# Altium PCB PLD.PcbDoc (part 1 of 2) (continued)
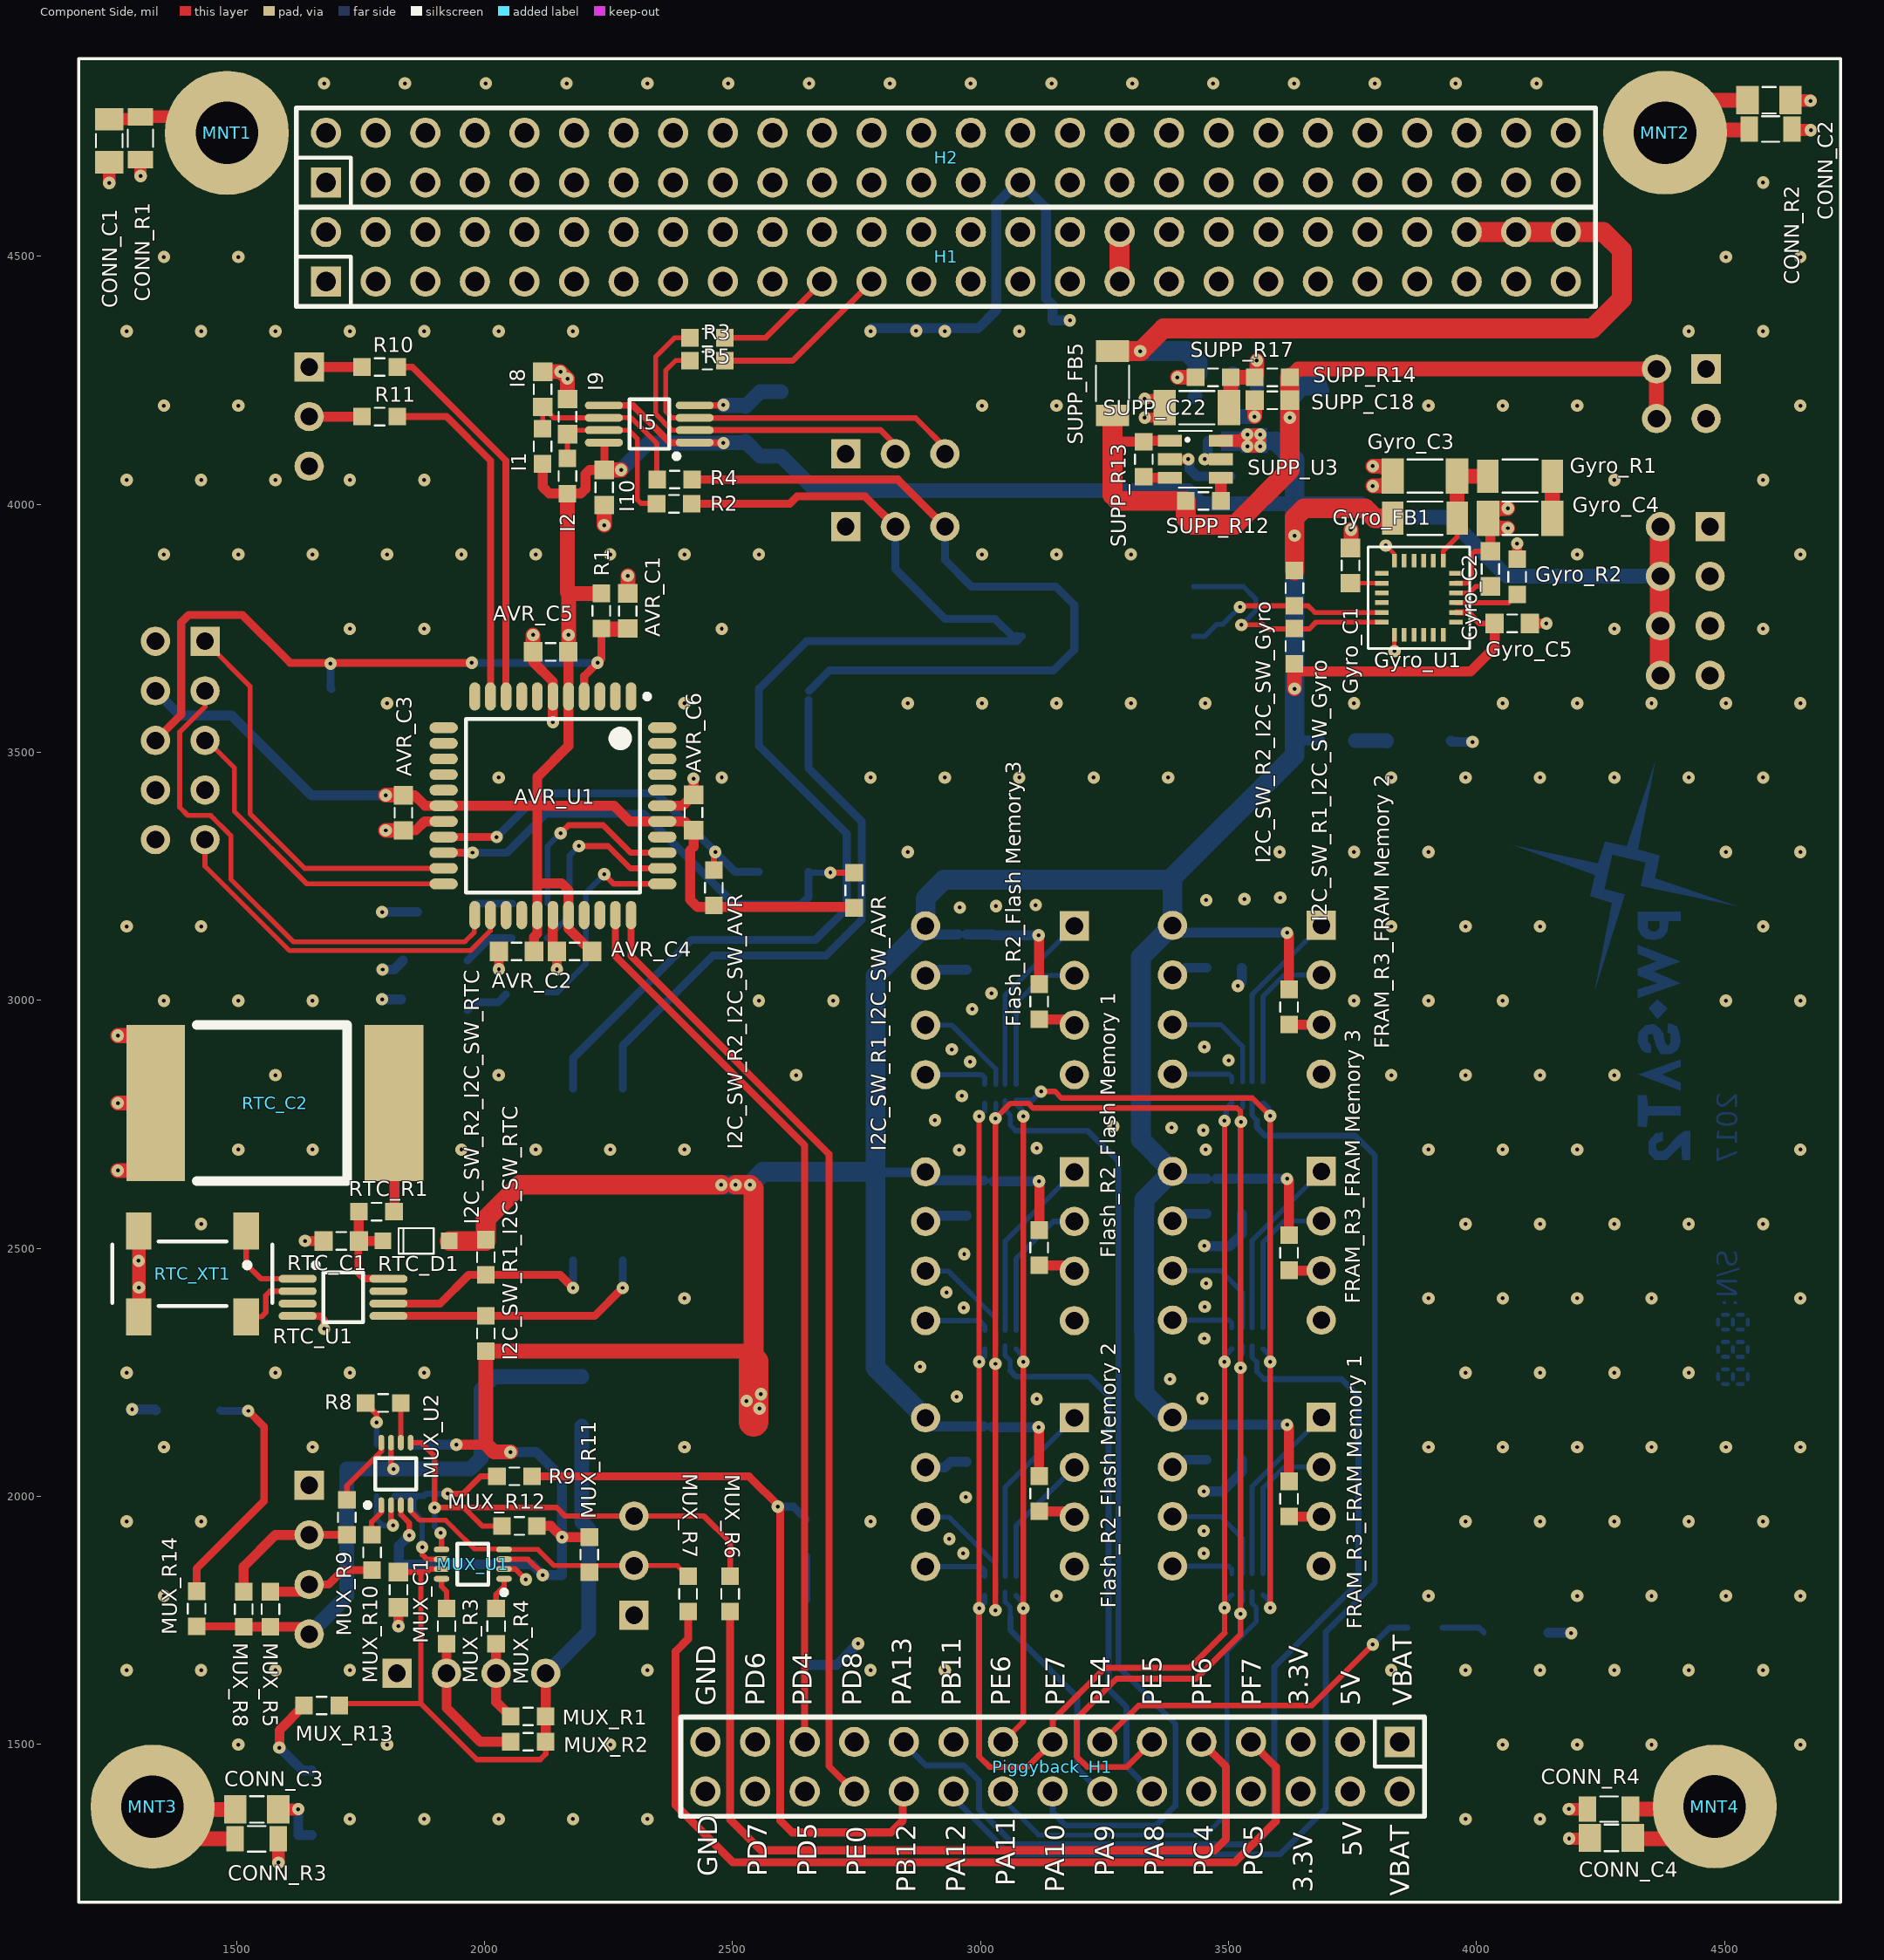
[diagram p0: Component Side view]
## Components (designator, comment, footprint, x,y, rotation, side; value= is the part's Value field where it differs from the comment) (continued)
MNT4 "Mounting Hole" PC-104_PcbMntHole_M3 4480.24,1374.25 r0 top locked
MUX_C1 "100n/50V" SMD_Capacitor_0603 1826,1811.41 r270 top
MUX_C2 "100n/50V" SMD_Capacitor_0603 1723,2091 r90 bottom
MUX_C3 "100n/50V" SMD_Capacitor_0603 1827,1831 r270 bottom
MUX_C4 "100n/50V" SMD_Capacitor_0603 2156,1805.57 r270 bottom
MUX_C5 "100n/50V" SMD_Capacitor_0603 1906,2139.28 r90 bottom
MUX_R1 "10k" SMD_Resistor_0603 2087.57,1556 r0 top
MUX_R2 "10k" SMD_Resistor_0603 2087.57,1505 r0 top
MUX_R3 "100R" SMD_Resistor_0603 1923,1738 r90 top
MUX_R4 "100R" SMD_Resistor_0603 2023,1738 r90 top
MUX_R5 "10k" SMD_Resistor_0603 1568,1772 r270 top
MUX_R6 "100R" SMD_Resistor_0603 2495,1803 r270 top
MUX_R7 "100R" SMD_Resistor_0603 2410,1803 r270 top
MUX_R8 "10k" SMD_Resistor_0603 1514,1772 r270 top
MUX_R9 "100R" SMD_Resistor_0603 1722,1957.43 r90 top
MUX_R10 "100R" SMD_Resistor_0603 1773,1886.57 r90 top
MUX_R11 "10k" SMD_Resistor_0603 2211,1882 r90 top
MUX_R12 "10k" SMD_Resistor_0603 2070,1940 r0 top
MUX_R13 "1k/1%" SMD_Resistor_0603 1671,1578 r180 top
MUX_R14 "1k/1%" SMD_Resistor_0603 1419,1773 r90 top
MUX_R15 "1k/1%" SMD_Resistor_0603 2648,1918 r270 bottom
MUX_U1 "TXS0102-Q1" VSSOP-8 1976,1863 r180 top
MUX_U2 "TXS0102-Q1" VSSOP-8 1821,2045 r90 top
MUX_U3 "NC7SZ00" SOT23-5 1819.28,2052.28 r90 bottom
P1 "CAM_UART" "HEADER 1X3 MALE" 2301,1760 r90 bottom
P2 "POWER (Protected)" "HEADER 2X4 MALE" 4471,3955 r270 bottom
P3 "POWER (Primary)" HDR2X2 4463,4273 r270 bottom
Piggyback_H1 "Samtec Header TSW-115-xx-x-D" Samtec_TSW-115-07-L-D 3845.28,1504.53 r180 top locked
R1 "10k/1%" SMD_Resistor_0603 2235,3785 r270 top
R2 "100R" SMD_Resistor_0603 2382,4001 r180 top
R3 "100R" SMD_Resistor_0603 2449,4336 r0 top
R4 "100R" SMD_Resistor_0603 2383,4050 r180 top
R5 "100R" SMD_Resistor_0603 2449,4290 r0 top
R6 "1k/1%" SMD_Resistor_0603 3896,1735 r0 bottom
R8 "100R" SMD_Resistor_0603 1795.41,2188 r180 top
R9 "100R" SMD_Resistor_0603 2060,2040 r0 top
R10 "100R" SMD_Resistor_0603 1788,4277 r0 top
R11 "100R" SMD_Resistor_0603 1788,4177 r0 top
RTC_C1 "100n/50V" SMD_Capacitor_0603 1710.7,2514.77 r180 top
RTC_C2 "2200u/6.3V" Tant_592D_X 1576.84,2792.77 r180 top
RTC_D1 "1N4148W" SOD-123 1861.7,2514.77 r0 top
RTC_R1 "1k/1%" SMD_Resistor_0603 1781.57,2573.77 r0 top
RTC_U1 "Value" TSSOP8_L 1714.27,2350.92 r0 top
RTC_XT1 "32.768kHz/12.5pF" Epson_MC-306 1410.73,2446.42 r180 top
S1 "Tact Switch" "Tact Switch 3x6" 1691,3474 r270 bottom
SUPP_C16 "100n/50V" SMD_Capacitor_0603 3504,4092 r90 bottom
SUPP_C17 "10u/16V" SMD_Capacitor_1206 3622,4239 r180 bottom
SUPP_C18 "100n/50V" SMD_Capacitor_0603 3588,4210 r180 top
SUPP_C21 "100n/50V" SMD_Capacitor_0603 3466,4175 r180 bottom
SUPP_C22 "10u/16V" SMD_Capacitor_1206 3436,4195 r180 top
SUPP_FB5 "120R/100MHz" SMD_FerriteBead_1206 3266,4244 r270 top
SUPP_R1 "1k/1%" SMD_Resistor_0603 3720.57,3524 r0 bottom
SUPP_R12 "100k/1%" SMD_Resistor_0603 3449.14,4007 r0 top
SUPP_R13 "1k/1%" SMD_Resistor_0603 3329,4091 r270 top
SUPP_R14 "470k/1%" SMD_Resistor_0603 3588,4256 r180 top
SUPP_R15 "470k/1%" SMD_Resistor_0603 3473,4263 r0 bottom
SUPP_R16 "47k/1%" SMD_Resistor_0603 3423,4128 r180 bottom
SUPP_R17 "470k/1%" SMD_Resistor_0603 3469,4256 r180 top
SUPP_R18 "470k/1%" SMD_Resistor_0603 3466,4219 r180 bottom
SUPP_U3 "TPS2551DBVx" SOT23-6 3433,4091 r0 top
"U4_FRAM Memory 1" "FM25W256" "DIP8 ADAPTER" 3540,1998 r180 bottom (schematic designator U4)
"U4_FRAM Memory 2" "FM25W256" "DIP8 ADAPTER" 3540,2990 r180 bottom (schematic designator U4)
"U4_FRAM Memory 3" "FM25W256" "DIP8 ADAPTER" 3540,2494 r180 bottom (schematic designator U4)

## Footprints (in the part's own frame and the unit in brackets; to place one, negate y for a bottom-side part, rotate by r counter-clockwise, add the part's x,y. Pads: shape width x height; smd on the part's side, far side on the other; paste and mask are expansions set on the pad)
"DIP8 ADAPTER" [mm] "8-Pin Plastic Dual In-Line Package (PDIP) ADAPTER"
  rect 1.5x1.5 hole 0.9: 1(-3.734,4.089)
  round 1.5 hole 0.9: 2(-3.734,1.549) 3(-3.734,-0.991) 4(-3.734,-3.531) 5(3.886,-3.531) 6(3.886,-0.991) 7(3.886,1.549) 8(3.886,4.089)
  silkscreen extent -3.86,5.26 -3.61,5.51, body extent -4.98,-4.93 5.14,5.48, height 8.5
Epson_MC-306 [mm] "kHz RANGE CRYSTAL UNIT"
  rect 1.3x1.9 smd: 1(-2.75,-2.25) 2(2.75,-2.25) 3(2.75,2.15) 4(-2.75,2.15)
  silkscreen extent -4.1,-1.7 4.1,1.6, body extent -4,-1.85 4,1.75, height 2.54
HDR2X2 [mm] "Connector; Header; 2x2 Position"
  rect 1.5x1.5 hole 0.9: 1(0,0)
  round 1.5 hole 0.9: 2(0,2.54) 3(2.54,0) 4(2.54,2.54)
  silkscreen extent -1.27,-1.27 3.81,3.81
"HEADER1X3H Male" [mm] "Connector; Header; 3 Position; Right Angle; Male"
  rect 1.5x1.5 hole 0.9: 1(0,0)
  round 1.5 hole 0.9: 2(2.54,0) 3(5.08,0)
  silkscreen extent -1.27,1.27 6.35,6.35, body extent -1.17,-0.38 6.25,10.76, height 2.75
"HEADER 1X3 MALE" [mm] "Connector; Header; 3 Position, Male"
  rect 1.5x1.5 hole 0.9: 1(0,0)
  round 1.5 hole 0.9: 2(2.54,0) 3(5.08,0)
  silkscreen extent -1.27,-1.27 6.35,1.27, body extent -1.17,-1.25 6.45,1.25, height 8.2
"HEADER 1X4H Male" [mm] "Connector; Header; 4 Position; Right Angle; Male"
  rect 1.5x1.5 hole 0.9: 1(0,0)
  round 1.5 hole 0.9: 2(2.54,0) 3(5.08,0) 4(7.62,0)
  silkscreen extent -1.27,1.27 8.89,6.35, body extent -1.17,-0.38 8.79,10.76, height 2.75
"HEADER 2X4 MALE" [mm] "Connector; Header; 4x2 Position; Male"
  rect 1.5x1.5 hole 0.9: 1(0,0)
  round 1.5 hole 0.9: 2(0,2.54) 3(2.54,0) 4(2.54,2.54) 5(5.08,0) 6(5.08,2.54) 7(7.62,0) 8(7.62,2.54)
  silkscreen extent -1.27,-1.27 8.89,3.81, body extent -1.27,-1.27 8.89,3.81, height 8.5
IDC-10-Male-Socket [mm] "IDC Connector; 10 pin, 2.54 mm pitch"
  rect 1.5x1.5 hole 0.9: 1(0,0)
  round 1.5 hole 0.9: 2(0,2.54) 3(2.54,0) 4(2.54,2.54) 5(5.08,0) 6(5.08,2.54) 7(7.62,0) 8(7.62,2.54) 9(10.16,0) 10(10.16,2.54)
  silkscreen extent -5.08,-3.05 15.24,5.87, body extent -5.07,-2.98 15.23,5.87, height 9.13
MCEPM-02 [mm] "MULTICOMP  MCEPM-02  DIP / SIP Switch, 2 Circuits, SPST, SMD, MCEP Series, 24 VDC"
  rect 2x1.1 smd: 1(-4.4,1.27) 2(4.4,1.27) 3(-4.4,-1.27) 4(4.4,-1.27)
  silkscreen extent -4.9,-2.49 4.9,3.2, body extent -4.9,-2.49 4.9,2.49, height 5.1
PC-104_PcbMntHole_M3 [mm] "PCB Mounting Hole for PC-104 standard. Based on Pumpkin's Kit."
  round 6.35 hole 3.2: 1(0,0)
QFN24_4x4 [mm] "Footprint for ITG3200 gyroscope."
  rect 0.7x0.25 smd: 1(-1.9,1.25) 2(-1.9,0.75) 3(-1.9,0.25) 4(-1.9,-0.25) 5(-1.9,-0.75) 6(-1.9,-1.25) 13(1.9,-1.25) 14(1.9,-0.75) 15(1.9,-0.25) 16(1.9,0.25) 17(1.9,0.75) 18(1.9,1.25)
  rect 0.25x0.7 smd: 7(-1.25,-1.9) 8(-0.75,-1.9) 9(-0.25,-1.9) 10(0.25,-1.9) 11(0.75,-1.9) 12(1.25,-1.9) 19(1.25,1.9) 20(0.75,1.9) 21(0.25,1.9) 22(-0.25,1.9) 23(-0.75,1.9) 24(-1.25,1.9)
  silkscreen extent -2.6,-2.6 2.6,2.6, body extent -2.01,-2.01 2.01,2.01, height 1
Samtec_SSQ-126-21-G-D [mm] "Samtec SSQ Series Header. SSQ-126-21-G-D. PC-104 End-Stack."
  rect 1.55x1.55 hole 1: 1(0,0)
  round 1.55 hole 1: 2(0,2.54) 3(2.54,0) 4(2.54,2.54) 5(5.08,0) 6(5.08,2.54) 7(7.62,0) 8(7.62,2.54) 9(10.16,0) 10(10.16,2.54) 11(12.7,0) 12(12.7,2.54) 13(15.24,0) 14(15.24,2.54) 15(17.78,0) 16(17.78,2.54) 17(20.32,0) 18(20.32,2.54) 19(22.86,0) 20(22.86,2.54) 21(25.4,0) 22(25.4,2.54) 23(27.94,0) 24(27.94,2.54) 25(30.48,0) 26(30.48,2.54) 27(33.02,0) 28(33.02,2.54) 29(35.56,0) 30(35.56,2.54) 31(38.1,0) 32(38.1,2.54) 33(40.64,0) 34(40.64,2.54) 35(43.18,0) 36(43.18,2.54) 37(45.72,0) 38(45.72,2.54) 39(48.26,0) 40(48.26,2.54) 41(50.8,0) 42(50.8,2.54) 43(53.34,0) 44(53.34,2.54) 45(55.88,0) 46(55.88,2.54) 47(58.42,0) 48(58.42,2.54) 49(60.96,0) 50(60.96,2.54) 51(63.5,0) 52(63.5,2.54)
  silkscreen extent -1.52,-1.27 65.02,3.81, body extent -1.52,-1.21 65.02,3.75, height 8.51
Samtec_TSW-115-07-L-D [mm] "Samtec TSW Series Header. TSW-115-07-L-D."
  rect 1.55x1.55 hole 1: 1(0,0)
  round 1.55 hole 1: 2(0,2.54) 3(2.54,0) 4(2.54,2.54) 5(5.08,0) 6(5.08,2.54) 7(7.62,0) 8(7.62,2.54) 9(10.16,0) 10(10.16,2.54) 11(12.7,0) 12(12.7,2.54) 13(15.24,0) 14(15.24,2.54) 15(17.78,0) 16(17.78,2.54) 17(20.32,0) 18(20.32,2.54) 19(22.86,0) 20(22.86,2.54) 21(25.4,0) 22(25.4,2.54) 23(27.94,0) 24(27.94,2.54) 25(30.48,0) 26(30.48,2.54) 27(33.02,0) 28(33.02,2.54) 29(35.56,0) 30(35.56,2.54)
  silkscreen extent -1.27,-1.27 36.83,3.81, body extent -1.27,-1.27 36.83,3.81, height 8.38
SMD_Capacitor_0603 [mm] "SMD Capacitor, Inch 0603, Metric 1608."
  rect 0.95x1 smd: 1(-0.9,0) 2(0.9,0)
  silkscreen extent -0.25,-0.45 0.25,0.45, body extent -0.8,-0.4 0.8,0.4, height 0.3
SMD_Capacitor_0805 [mm] "SMD Capacitor, Inch 0805, Metric 2012."
  rect 1.15x1.45 smd: 1(-1.1,0) 2(1.1,0)
  silkscreen extent -0.35,-0.68 0.35,0.68, body extent -1,-0.62 1,0.63, height 0.78
SMD_Capacitor_1206 [mm] "SMD Capacitor, Inch 1206, Metric 3216."
  rect 1.15x1.8 smd: 1(-1.65,0) 2(1.65,0)
  silkscreen extent -0.9,-0.85 0.9,0.85, body extent -1.6,-0.8 1.6,0.8, height 1
SMD_FerriteBead_1206 [mm] "SMD Ferrite Bead, Inch 1206, Metric 3216."
  rect 1.1x1.7 smd: 1(-1.65,0) 2(1.65,0)
  silkscreen extent -0.9,-0.85 0.9,0.85, body extent -1.6,-0.8 1.6,0.8, height 1.1
SMD_LED_1206 [mm] "SMD LED diode, Inch 1206, Metric 3216."
  rect 1.1x1.7 smd: A(-1.65,0) K(1.65,0)
  silkscreen extent -0.9,-0.85 0.9,0.85, body extent -1.6,-0.8 1.6,0.8, height 1.11
SMD_Resistor_0603 [mm] "SMD Resistor, Inch 0603, Metric 1608."
  rect 0.9x0.9 smd: 1(-0.9,0) 2(0.9,0)
  silkscreen extent -0.25,-0.45 0.25,0.45, body extent -0.8,-0.45 0.8,0.45, height 0.5
SMD_Resistor_0805 [mm] "SMD Resistor, Inch 0805, Metric 2012."
  rect 0.9x1.3 smd: 1(-1.1,0) 2(1.1,0)
  silkscreen extent -0.45,-0.65 0.45,0.65, body extent -1,-0.62 1,0.63, height 0.5
SMD_Resistor_1206 [mm] "SMD Resistor, Inch 1206, Metric 3216."
  rect 1.1x1.7 smd: 1(-1.65,0) 2(1.65,0)
  silkscreen extent -0.9,-0.85 0.9,0.85, body extent -1.6,-0.8 1.6,0.8, height 0.8
SMD_RESISTOR_ARRAY_YC124 [mm]
  rect 0.45x0.45 smd: 1(0,-0.826) 4(1.6,-0.826) 5(1.6,0) 8(0,0)
  rect 0.3x0.45 smd: 2(0.559,-0.826) 3(1.041,-0.826) 6(1.041,0) 7(0.559,0)
  body extent -0.2,-0.91 1.8,0.09, height 0.45
SOD-123 [mm] "JEDEC standard."
  rect 0.85x0.85 smd: A(1.7,0) K(-1.7,0)
  silkscreen extent -0.9,-0.65 0.9,0.65, body extent -1.85,-0.8 1.85,0.8, height 1.27
SOT23-5 [mm] "JEDEC MO-178AA package."
  rect 1.22x0.62 smd: 1(-1.31,0.95) 2(-1.31,0) 3(-1.31,-0.95) 4(1.31,-0.95) 5(1.31,0.95)
  silkscreen extent -0.85,-1.45 0.85,1.45, body extent -1.4,-1.45 1.4,1.45, height 1.45
SOT23-6 [mm] "JEDEC MO-178AB package."
  rect 1.22x0.62 smd: 1(-1.31,0.95) 2(-1.31,0) 3(-1.31,-0.95) 4(1.31,-0.95) 5(1.31,0) 6(1.31,0.95)
  silkscreen extent -0.85,-1.45 0.85,1.45, body extent -1.4,-1.45 1.4,1.45, height 1.45
"Tact Switch 3x6" [mm] "SODFL, 2-Leads, Body 3,00x8,00mm, IPC Medium Density"
  rect 1.8x2 smd: 1(-3.9,0) 2(3.9,0)
  silkscreen extent -4.15,-1.5 3,1.77, body extent -4,-1.8 4,1.8, height 2.6
Tant_592D_X [mm] "Vishay 592D tantalum series capacitor."
  rect 3x8 smd: 1(-6.1,0) 2(6.1,0)
  silkscreen extent -3.7,-4 4,4, body extent -7.75,-3.8 6.65,3.8, height 2
TQFP-44 [mm]
  oval 1.45x0.55 smd: 1(-5.591,4.005) 2(-5.591,3.205) 3(-5.591,2.405) 4(-5.591,1.605) 5(-5.591,0.805) 6(-5.591,0.005) 7(-5.591,-0.795) 8(-5.591,-1.595) 9(-5.591,-2.395) 10(-5.591,-3.195) 11(-5.591,-3.995) 23(5.609,-3.995) 24(5.609,-3.195) 25(5.609,-2.395) 26(5.609,-1.595) 27(5.609,-0.795) 28(5.609,0.005) 29(5.609,0.805) 30(5.609,1.605) 31(5.609,2.405) 32(5.609,3.205) 33(5.609,4.005)
  oval 0.55x1.45 smd: 12(-3.991,-5.595) 13(-3.191,-5.595) 14(-2.391,-5.595) 15(-1.591,-5.595) 16(-0.791,-5.595) 17(0.009,-5.595) 18(0.809,-5.595) 19(1.609,-5.595) 20(2.409,-5.595) 21(3.209,-5.595) 22(4.009,-5.595) 34(4.009,5.605) 35(3.209,5.605) 36(2.409,5.605) 37(1.609,5.605) 38(0.809,5.605) 39(0.009,5.605) 40(-0.791,5.605) 41(-1.591,5.605) 42(-2.391,5.605) 43(-3.191,5.605) 44(-3.991,5.605)
  silkscreen extent -5.72,-4.45 4.46,4.95, body extent -6,-6 6,6, height 1.07
TSSOP8_L [mm] "TSSOP, 8-Leads, Pitch 0.65mm, IPC High Density"
  oval 1.95x0.4 smd: 1(-2.325,2.222) 2(-2.325,1.587) 3(-2.325,0.952) 4(-2.325,0.317) 5(2.325,0.318) 6(2.325,0.952) 7(2.325,1.588) 8(2.325,2.222)
  silkscreen extent -1.52,0 1.02,3.05, body extent -2.5,-0.28 2.5,2.82, height 1.1
VSSOP-8 [mm] "TSSOP, 8-Leads, Body 2,00x2,30mm, Pitch 0,50mm, IPC Medium Density"
  oval 0.8x0.3 smd: 1(-1.6,0.75) 2(-1.6,0.25) 3(-1.6,-0.25) 4(-1.6,-0.75) 5(1.6,-0.75) 6(1.6,-0.25) 7(1.6,0.25) 8(1.6,0.75)
  silkscreen extent -1.72,-1.05 0.8,1.57, body extent -1.6,-1.05 1.6,1.05, height 0.9

## Part data
AVR_C1 AVR_C2 AVR_C3 AVR_C4 AVR_C5 AVR_C6 "Flash_C1_Flash Memory 1" "Flash_C1_Flash Memory 2" "Flash_C1_Flash Memory 3" "FRAM_C1_FRAM Memory 1" "FRAM_C1_FRAM Memory 2" "FRAM_C1_FRAM Memory 3" Gyro_C1 Gyro_C2 Gyro_C5 I10 I11 MUX_C1 MUX_C2 MUX_C3 MUX_C4 MUX_C5 RTC_C1 SUPP_C16 SUPP_C18 SUPP_C21: library part Cer_C0603T104K5RALTU, "Ceramic Cap Kemet COTS 100n/50V X7R 0603"
AVR_P1: library part "Header 5X2", "Header, 5-Pin, Dual row"
AVR_R1 AVR_R2 AVR_R3 MUX_R13 MUX_R14 MUX_R15 R6 RTC_R1 SUPP_R1 SUPP_R13: library part CRCW06031K00FKxxxx, "1k/1% Vishay CRCW 0603 Resistor. 100mW, 100ppm, 75V."
AVR_U1: "General-purpose microcontroller"
CONN_C1 CONN_C2 CONN_C3 CONN_C4: library part Cer_C0805T104K1RCLTU, "Ceramic Cap Kemet COTS 100n/100V X7R 0805"
CONN_H3 CONN_H5: library part "Header 4", "Header, 4-Pin"
CONN_P1 CONN_P2 CONN_P3: "Header, 3-Pin"
CONN_R1 CONN_R2 CONN_R3 CONN_R4: library part CRCW08051K00FKxxxx, "1k/1% Vishay CRCW 0805 Resistor. 125mW, 100ppm, 150V."
"Flash_R1_Flash Memory 1" "Flash_R1_Flash Memory 2" "Flash_R1_Flash Memory 3" "FRAM_R1_FRAM Memory 1" "FRAM_R1_FRAM Memory 2" "FRAM_R1_FRAM Memory 3": library part 4ResPack, "RESISTOR ARRAY, 4 x 0402"
"Flash_R2_Flash Memory 1" "Flash_R2_Flash Memory 2" "Flash_R2_Flash Memory 3" "Flash_R3_Flash Memory 1" "Flash_R3_Flash Memory 2" "Flash_R3_Flash Memory 3" "FRAM_R3_FRAM Memory 1" "FRAM_R3_FRAM Memory 2" "FRAM_R3_FRAM Memory 3" "FRAM_R5_FRAM Memory 1" "FRAM_R5_FRAM Memory 2" "FRAM_R5_FRAM Memory 3": library part CRCW06032K20FKxxxx, "2.2k/1% Vishay CRCW 0603 Resistor. 100mW, 100ppm, 75V."
"Flash_U1_Flash Memory 1" "Flash_U1_Flash Memory 2" "Flash_U1_Flash Memory 3": library part N25Q128A13ESE40G, "128Mbit, 3V Serial NOR Flash Memory"
Gyro_C3 Gyro_C4 I12: library part Cer_C1206T105K3RALTU, "Ceramic Cap Kemet COTS 1u/25V X7R 1206"
Gyro_FB1 SUPP_FB5: library part BLM31PG121SH1L, "Ferrite bead, 1206, 0.02HM, 3.5A."
Gyro_R1: library part ERJ-8BQFR22V, "Panasonic Resistor 0.22R 1% 1206 330mW"
Gyro_R2 MUX_R1 MUX_R2 MUX_R3 MUX_R4 MUX_R5 MUX_R6 MUX_R7 MUX_R8 MUX_R9 MUX_R10 MUX_R11 MUX_R12 R2 R3 R4 R5 R8 R9: library part Res
H1 H2: library part Samtec_SSQ-126-xx-x-D, "Samtec SSQ Series Header , 2.54mm pitch, 2x26pin. PC-104 Stack Connector."
I1 I2: library part CRCW06034K70FKxxxx, "4.7k/1% Vishay CRCW 0603 Resistor. 100mW, 100ppm, 75V."
I5: "Level-Translating I2C Bus Repeater"
I8 I9: library part Cer_GCM1885C1H100JA16D, "Ceramic Cap Murata Automotive 10p/50V C0G 0603"
LED1 LED2 LED3 LED4 LED5 LED6 LED7 LED8: library part LED-1206_RED, "LED diode, SMD1206 package."
MNT1 MNT2 MNT3 MNT4: library part MntHole, "PCB Mounting Hole"
MUX_U1 MUX_U2: "2-Bit Bidirectional Voltage-Level Translator  for Open-Drain and Push-Pull Applications"
MUX_U3: "TinyLogic UHS Two-Input NAND Gate."
P1: library part "Header 3", "Header, 3-Pin"
P2: library part "Header 4X2", "Header, 4-Pin, Dual row"
P3: library part "Header 2X2", "Header, 2-Pin, Dual row"
Piggyback_H1: library part Samtec_TSW-115-xx-x-D, "Samtec TSW Series Header , 2.54mm pitch, 2x15pin. PC-104 Stack Connector."
R1 R10 R11: library part CRCW060310K0FKxxxx, "10k/1% Vishay CRCW 0603 Resistor. 100mW, 100ppm, 75V."
RTC_C2: library part Tant_592D228X96R3X2T20H, "Vishay 592D Solid Tantalum Chip Capacitors."
RTC_D1: "Small Signal Fast Switching Diode"
RTC_U1: library part PCF8563, "Real-time clock/calendar"
RTC_XT1: library part Q13MC30610003, "EPSON MC-306 32.768KHZ 12.5pF Crystal"
S1: library part TactSwitch
SUPP_C17 SUPP_C22: library part Cer_C1206T106K4RACTU, "Ceramic Cap Kemet COTS 10u/16V X7R 1206"
SUPP_R12: library part CRCW0603100KFKxxxx, "100k/1% Vishay CRCW 0603 Resistor. 100mW, 100ppm, 75V."
SUPP_R14 SUPP_R15 SUPP_R17 SUPP_R18: library part CRCW0603470KFKxxxx, "470k/1% Vishay CRCW 0603 Resistor. 100mW, 100ppm, 75V."
SUPP_R16: library part CRCW060347K0FKxxxx, "47k/1% Vishay CRCW 0603 Resistor. 100mW, 100ppm, 75V."
SUPP_U3: "Adjustable Current-Limited Power-Distribution Switch."
"U4_FRAM Memory 1" "U4_FRAM Memory 2" "U4_FRAM Memory 3": "256Kb (8k x 32) SPI F-RAM"

## Via types
v1: diameter 25, hole 7.87, Component Side to Bottom Layer, tented both sides, 368 vias

## Nets (pads, with @x,y where several pads share a name; then routed paths per layer and width w, separated by ;. In a path a pad name is that pad's centre, name@x,y a point inside that pad or via, vN(x,y) a via of type N, cw(c..) or ccw(c..) an arc to the next point about the centre after c; other vN are vias at no path point)
A0: AVR_U1.40
A1: AVR_U1.41
A2: AVR_U1.42
AD7714_C\S\: AVR_U1.13
AD7714_DRDY: AVR_U1.25
ADC128_C\S\: AVR_U1.12
CAM_NADIR_3V3: CONN_H5.4 I3.3 MUX_C2.1 MUX_R5.2 MUX_R8.2 MUX_R14.1 MUX_U2.7 | length 1283.9
  Component Side w11: MUX_U2.7@1811.16,2107.99 1811.16,2062.84 v1(1816,2055)
  Component Side w15.75: MUX_R14.1@1419,1737.57 1513,1737.57 MUX_R8.2@1514,1736.57
  Component Side w20: MUX_R8.2@1514,1736.57 MUX_R5.2@1568,1736.57 1631.43,1736.57 CONN_H5.4@1646,1722
  Bottom Layer w30: CONN_H5.4@1646,1722 1722,1798 1722,2055 v1(1816,2055) 1971,2055 1993,2077 1993,2215 2019,2241 I3.3@2195.77,2241
CAM_WING_3V3: CONN_H3.4 I3.1 MUX_C1.1 MUX_R1.2 MUX_R2.2 MUX_R13.1 MUX_U1.7 | length 1529.9
  Component Side w11: MUX_R13.1@1706.43,1578 1710.43,1582 1871,1582 ; MUX_C1.1@1826,1846.84 1871,1846.84 ; MUX_U1.7@1913.01,1853.16 1890.26,1853.16 1883.94,1846.84 1871,1846.84 ; MUX_R2.2@2123,1505 2123,1480 2112,1469 1984,1469 1871,1582 ; 1871,1582 1871,1846.84
  Component Side w20: MUX_R2.2@2123,1505 MUX_R1.2@2123,1556 CONN_H3.4@2123,1643
  Bottom Layer w30: CONN_H3.4@2123,1640 2210,1727 2210,1934 2196,1948 I3.1@2196,2141
DGND: "Flash_C1_Flash Memory 1.1" "Flash_C1_Flash Memory 2.1" "Flash_C1_Flash Memory 3.1" "Flash_U1_Flash Memory 1.4" "Flash_U1_Flash Memory 2.4" "Flash_U1_Flash Memory 3.4" "FRAM_C1_FRAM Memory 1.1" "FRAM_C1_FRAM Memory 2.1" "FRAM_C1_FRAM Memory 3.1" "U4_FRAM Memory 1.4" "U4_FRAM Memory 2.4" "U4_FRAM Memory 3.4" AVR_C1.2 AVR_C2.2 AVR_C3.2 AVR_C4.2 AVR_C5.2 AVR_C6.2 AVR_P1.2 AVR_P1.10 AVR_U1.6 AVR_U1.18 AVR_U1.28 AVR_U1.39 CONN_C1.1 CONN_C2.1 CONN_C3.2 CONN_C4.2 CONN_H3.1 CONN_H5.1 CONN_P1.3 CONN_P2.1 CONN_P3.1 CONN_R1.1 CONN_R2.1 CONN_R3.2 CONN_R4.2 Gyro_C1.2 Gyro_C2.2 Gyro_C3.2 Gyro_C4.2 Gyro_C5.2 Gyro_R2.2 Gyro_U1.1 Gyro_U1.11 Gyro_U1.18 H2.29 H2.30 H2.32 I5.4 I8.2 I9.2 I10.1 I11.1 I12.1 LED1.K LED2.K LED3.K LED4.K LED5.K LED6.K LED7.K LED8.K MUX_C1.2 MUX_C2.2 MUX_C3.2 MUX_C4.2 MUX_C5.2 MUX_U1.2 MUX_U2.2 MUX_U3.3 P1.1 P2.1 P2.3 P2.5 P2.7 P3.1 P3.3 RTC_C1.2 RTC_C2.2 RTC_U1.4 RTC_XT1.2 RTC_XT1.3 S1.2 SUPP_C16.1 SUPP_C21.2 SUPP_C22.2 SUPP_R16.2 SUPP_R17.2 SUPP_R18.2 SUPP_U3.2 | length 4776
  Component Side w9: v1(3817,3917) 3834.43,3899.57 Gyro_U1.18@3834.43,3886.38 ; v1(3834.43,3704) Gyro_U1.1@3834.43,3736.77
  Component Side w10: Gyro_U1.11@3958.45,3841.1 3979.1,3841.1 3990,3852 3990,3899 3996.43,3905.43 Gyro_C2.2@4028,3905.43
  Component Side w11: MUX_U2.2@1811.16,1982.01 1811.16,1944.84 v1(1815,1941) ; MUX_U1.2@2039.15,1853.31 2061.69,1853.31 v1(2083,1832)
  Component Side w14: I5.4@2423.38,4199.57 v1@2475.57,4199.57
  Component Side w15: RTC_U1.4@1623,2363.55 1668,2363.55 1676,2355.55 v1(1676,2337.55)
  Component Side w20: v1(1637.67,2514.77) RTC_C1.2@1675.27,2514.77 ; v1(1826,1738) MUX_C1.2@1826,1775.98 ; AVR_C3.2@1836,3342.57 1860.46,3342.57 1878.57,3360.69 AVR_U1.18@1917.07,3360.69 ; v1(2028.6,3062.58) AVR_C2.2@2028.6,3098.57 ; AVR_C5.2@2097.6,3702.57 2097.6,3682.4 2137.54,3642.46 AVR_U1.6@2137.54,3612.65 v1(2137.54,3560.84) ; AVR_U1.28@2137.54,3171.71 2137.54,3106.63 AVR_C4.2@2145.6,3098.57 v1(2145.6,3062.58) ; AVR_U1.39@2358.02,3392.18 2399.2,3392.18 AVR_C6.2@2421.03,3414.01 v1(2421.03,3447) ; v1(3331,4175) 3351.04,4175 SUPP_C22.2@3371.04,4195 3353.04,4213 v1(3331,4213) ; SUPP_U3.2@3381.43,4091 v1(3419,4091) ; Gyro_C4.2@4023.04,3972 4028,3967.04 Gyro_C2.2@4028,3905.43 ; Gyro_R2.2@4082,3887.43 v1(4082,3921) ; Gyro_C5.2@4107.43,3760 v1(4141,3760)
  Component Side w25: CONN_C1.1@1242.67,4690.07 1242.67,4648.33 v1(1243,4648) ; CONN_R1.1@1305.59,4694.99 1305.59,4662.41 v1(1306,4662) ; CONN_C3.2@1583.71,1368.4 1623.4,1368.4 v1(1624,1369) ; v1(1584,1261) CONN_R3.2@1584,1309 ; v1(4186.39,1369.28) 4186.99,1368.68 CONN_R4.2@4226.69,1368.68 ; v1(4186.8,1309.87) 4187.39,1309.28 CONN_C4.2@4227.09,1309.28 ; CONN_C2.1@4633.37,4814.41 4673.06,4814.41 v1(4673.66,4813.81) ; CONN_R2.1@4633.77,4755 4673.46,4755 v1(4674.06,4754.41)
  Component Side w27: RTC_XT1.3@1302.46,2361.77 RTC_XT1.2@1302.46,2535
  Component Side w30: v1(1260.13,2656.77) 1336.68,2656.77 RTC_C2.2@1336.68,2792.77 ; v1(1260.13,2792.77) RTC_C2.2@1336.68,2792.77 ; v1(1260.13,2928.77) 1336.68,2928.77 RTC_C2.2@1336.68,2792.77 ; v1(1800.4,3342.57) AVR_C3.2@1836,3342.57 ; AVR_C5.2@2097.6,3700.98 v1(2097.6,3736.57) ; I8.2@2116.85,4267.5 v1(2152.81,4267.5) v1(2166.78,4253.54) v1(2166.78,4253.54) I9.2@2166.85,4212.5 ; v1(2241,3958) I10.1@2241,3998.57 ; AVR_C1.2@2288.57,3820.4 v1(2288.57,3856) ; v1(3397,4256) SUPP_R17.2@3433.57,4256 ; Gyro_C1.2@3746.97,3914 v1(3746.97,3949) ; v1(3791,4037) 3811.04,4037 Gyro_C3.2@3831.04,4057 3811.04,4077 v1(3791,4077) ; v1(4063.08,3952) 4043.04,3952 Gyro_C4.2@4023.04,3972 4043.04,3992 v1(4063.08,3992)
  Bottom Layer w11: MUX_U3.3@1781.87,2000.7 1781.87,1953.13 1794,1941 v1(1815,1941)
  Bottom Layer w20: v1(1289,2175) 1335.04,2175 LED3.K@1337.04,2173 ; v1(1624,1369) 1624,1317.04 LED2.K@1651,1317.04 ; v1(1793,3002) LED7.K@1831,3002 ; v1(1793,3178) LED5.K@1864.04,3178 ; v1(1794,3062) 1817.04,3062 LED6.K@1835.04,3080 ; LED4.K@2651,1660.04 2710.04,1660.04 v1(2753,1703) ; v1@2775,4350 2780,4355 2995,4355 3031.67,4391.67 3031.67,4605.67 3075.15,4649.15 H2.29@3080.16,4649.15 3131.67,4597.65 3131.67,4415.72 3145,4402.39 3145,4371 v1(3180,4371) ; v1(3419,4091) 3421.5,4088.5 3421.5,4071.17 3436.1,4056.57 SUPP_C16.1@3504,4056.57 ; v1(3450,2010) 3488,2010 3527,2049 3527,2073.57 ; v1(3451,2505) 3452,2504 3502,2504 3527,2529 3527,2569.57 ; v1(3519,3029) 3527,3037 3527,3065.57 ; LED1.K@3948,3523 3950,3521 v1(3992,3521) ; LED8.K@4144.96,1725 4190,1725 v1(4191,1724)
  Bottom Layer w27: SUPP_R18.2@3430.57,4216 SUPP_R18.2@3433.57,4219
  Bottom Layer w30: v1@2481.5,4199.57 2523.86,4199.57 I11.1@2526,4197.43 2555.53,4226.96 I12.1@2598,4226.96
  other v1: 1728,1349 1878,1349 2028,1349 2178,1349 2328,1349 3978,1349 4128,1349 1503,1499 1803,1499 2253,1499 4053,1499 4203,1499 4353,1499 4653,1499 1278,1649 1428,1649 1578,1649 1728,1649 2328,1649 2778,1649 2928,1649 3828,1649 3978,1649 4128,1649 4278,1649 4428,1649 4578,1649 1353,1799 3153,1799 3903,1799 4203,1799 4353,1799 4503,1799 4653,1799 2965,1885 3450,1885 2937,1914 3450,1930 1278,1949 1428,1949 2778,1949 3978,1949 4128,1949 4278,1949 4428,1949 4578,1949 2970,1998 1353,2099 1653,2099 2403,2099 3903,2099 4053,2099 4203,2099 4353,2099 4503,2099 4653,2099 3113,2196 3447,2197 2952,2201 3382,2236 1278,2249 1578,2249 1728,2249 1878,2249 3978,2249 4128,2249 4278,2249 4428,2249 2878,2261 3451,2318 2966,2380 3452,2382 2403,2399 3903,2399 4053,2399 4203,2399 4353,2399 4653,2399 2931,2411 1302.46,2420.77 3455,2429 1302.13,2474.77 2967,2488 1428,2549 3978,2549 4128,2549 4278,2549 4428,2549 4578,2549 2957,2698 1503,2699 1653,2699 1953,2699 2103,2699 2253,2699 2403,2699 3454,2699 3903,2699 4053,2699 4203,2699 4653,2699 3113,2702 3449,2738 3385,2743 3268,2746 2908,2758 2962,2807 1578,2849 2028,2849 2628,2849 3828,2849 3978,2849 4128,2849 4278,2849 2979,2876 3500,2879 2942,2901 3451,2906 2983,2982 1353,2999 1503,2999 1653,2999 2553,2999 2703,2999 3753,2999 3903,2999 4053,2999 4503,2999 4653,2999 3022,3014 1278,3149 1428,3149 3828,3149 3978,3149 4128,3149 4578,3149 2958,3187 3031,3190 3111,3192 3455,3202 3532,3204 3604,3207 2853,3299 3603,3299 3753,3299 3903,3299 4503,3299 4653,3299 2028,3449 2478,3449 2778,3449 2928,3449 3078,3449 3228,3449 3378,3449 3828,3449 3978,3449 4128,3449 4278,3449 4428,3449 4578,3449 1803,3599 2403,3599 2853,3599 3003,3599 3153,3599 3303,3599 3453,3599 3753,3599 4053,3599 4203,3599 4353,3599 4503,3599 4653,3599 1728,3749 1878,3749 2478,3749 4278,3749 4578,3749 1353,3899 1503,3899 1653,3899 1803,3899 1953,3899 2103,3899 2253,3899 2403,3899 2553,3899 3003,3899 3153,3899 3303,3899 4203,3899 4653,3899 1278,4049 1428,4049 1578,4049 1728,4049 1878,4049 4278,4049 4578,4049 1353,4199 1503,4199 3003,4199 3153,4199 3903,4199 4053,4199 4203,4199 4653,4199 2481.5,4200.57 1278,4349 1428,4349 1578,4349 1728,4349 1878,4349 2028,4349 2178,4349 2778,4349 2928,4349 3078,4349 4428,4349 4578,4349 2870,4350 1353,4499 1503,4499 4503,4499 4653,4499 4578,4649 1676,4849 1839,4849 2002,4849 2165,4849 2328,4849 2491,4849 2654,4849 2817,4849 2980,4849 3143,4849 3306,4849 3469,4849 3632,4849 3795,4849 3958,4849 4121,4849
EN: AVR_U1.43
INT: AVR_U1.33 Piggyback_H1.24 | length 1953.7
  Component Side w14: AVR_U1.33@2295.02,3171.71 2295.02,3089.09 2694,2690.11 2694,1455.8 Piggyback_H1.24@2745.28,1404.53
MISO: AVR_U1.1
MOSI: AVR_U1.2
NetAVR_R1_1: AVR_R1.1 AVR_U1.36 | length 387.6
  Component Side w11.81: v1(2153,3337) 2169,3353 2239,3353 2294.31,3297.69 AVR_U1.36@2358.02,3297.69
  Bottom Layer w11.81: AVR_R1.1@2126.43,3195 2126.43,3310.43 v1(2153,3337)
NetAVR_R1_2: AVR_R1.2 LED5.A | length 75.6
  Bottom Layer w15.75: LED5.A@1979.96,3195 AVR_R1.2@2055.57,3195
NetAVR_R2_1: AVR_R2.1 AVR_U1.35 | length 399.3
  Component Side w11.81: v1(2190,3311) 2249,3311 2293.8,3266.2 AVR_U1.35@2358.02,3266.2
  Bottom Layer w11.81: AVR_R2.1@2125.43,3125 2171,3170.57 2171,3292 v1(2190,3311)
NetAVR_R2_2: AVR_R2.2 LED6.A | length 108.2
  Bottom Layer w15.75: LED6.A@1964.96,3080 2009.96,3125 AVR_R2.2@2054.57,3125
NetAVR_R3_1: AVR_R3.1 AVR_U1.34 | length 424.2
  Component Side w11.81: v1(2241,3254) 2260.3,3234.7 AVR_U1.34@2358.02,3234.7
  Bottom Layer w11.81: AVR_R3.1@2124.43,3016 2146.43,3016 2204,3073.57 2204,3217 v1(2241,3254)
NetAVR_R3_2: AVR_R3.2 LED7.A | length 91.3
  Bottom Layer w15.75: LED7.A@1964.96,2980 1980.96,2996 2027,2996 AVR_R3.2@2043,3012
NetAVR_U1_9: AVR_U1.9 R10.2 | length 773.2
  Component Side w14: R10.2@1823.43,4277 1854,4277 2043.06,4087.95 AVR_U1.9@2043.06,3612.65
NetAVR_U1_10: AVR_U1.10 R11.2 | length 700.5
  Component Side w14: R11.2@1823.43,4177 1922.89,4177 2011.56,4088.33 AVR_U1.10@2011.56,3612.65
NetCONN_C1_2: CONN_C1.2 CONN_R1.2 MNT1.1 | length 253
  Component Side w25: CONN_C1.2@1242.67,4776.69 1300.67,4776.69 CONN_R1.2@1305.59,4781.61 1447.7,4781.61 MNT1.1@1480.16,4749.15
NetCONN_C2_2: CONN_C2.2 CONN_R2.2 MNT2.1 | length 354.8
  Component Side w30: MNT2.1@4380.22,4749.43 MNT2.1@4385.79,4755 ; CONN_C2.2@4546.75,4814.41 4445.19,4814.41 MNT2.1@4385.79,4755 ; CONN_R2.2@4547.15,4755 MNT2.1@4385.79,4755
NetCONN_C3_1: CONN_C3.1 CONN_R3.1 MNT3.1 | length 354.8
  Component Side w30: MNT3.1@1330.16,1373.98 MNT3.1@1335.73,1368.4 ; CONN_R3.1@1496.69,1309 1395.13,1309 MNT3.1@1335.73,1368.4 ; CONN_C3.1@1497.09,1368.4 MNT3.1@1335.73,1368.4
NetCONN_C4_1: CONN_C4.1 CONN_R4.1 MNT4.1 | length 354.8
  Component Side w30: CONN_R4.1@4313.3,1368.68 MNT4.1@4474.66,1368.68 ; CONN_C4.1@4313.7,1309.28 4415.26,1309.28 MNT4.1@4474.66,1368.68 ; MNT4.1@4480.24,1374.25 MNT4.1@4474.66,1368.68
NetCONN_H3_2: CONN_H3.2 MUX_R2.1 MUX_R3.1 | length 286.9
  Component Side w20: MUX_R3.1@1923,1702.57 1923,1573 1991,1505 MUX_R2.1@2052.13,1505
NetCONN_H3_3: CONN_H3.3 MUX_R1.1 MUX_R4.1 | length 158.6
  Component Side w20: MUX_R4.1@2023,1702.57 2023,1585.13 MUX_R1.1@2052.13,1556
NetCONN_H5_2: CONN_H5.2 MUX_R8.1 MUX_R9.1 | length 285.1
  Component Side w16: CONN_H5.2@1646,1922 MUX_R9.1@1722,1922
  Component Side w20: MUX_R8.1@1514,1807.43 1514,1858 1578,1922 CONN_H5.2@1646,1922
NetCONN_H5_3: CONN_H5.3 MUX_R5.1 MUX_R10.1 | length 223.1
  Component Side w16: CONN_H5.3@1646,1822 1685,1822 1714.13,1851.13 MUX_R10.1@1773,1851.13
  Component Side w20: MUX_R5.1@1568,1807.43 1631.43,1807.43 CONN_H5.3@1646,1822
NetCONN_P1_1: CONN_P1.1 R10.1 | length 106.6
  Component Side w20: CONN_P1.1@1646,4277 R10.1@1752.57,4277
NetCONN_P1_2: CONN_P1.2 R11.1 | length 106.6
  Component Side w20: CONN_P1.2@1646,4177 R11.1@1752.57,4177